# KiCad board MozzaBottom.kicad_pcb
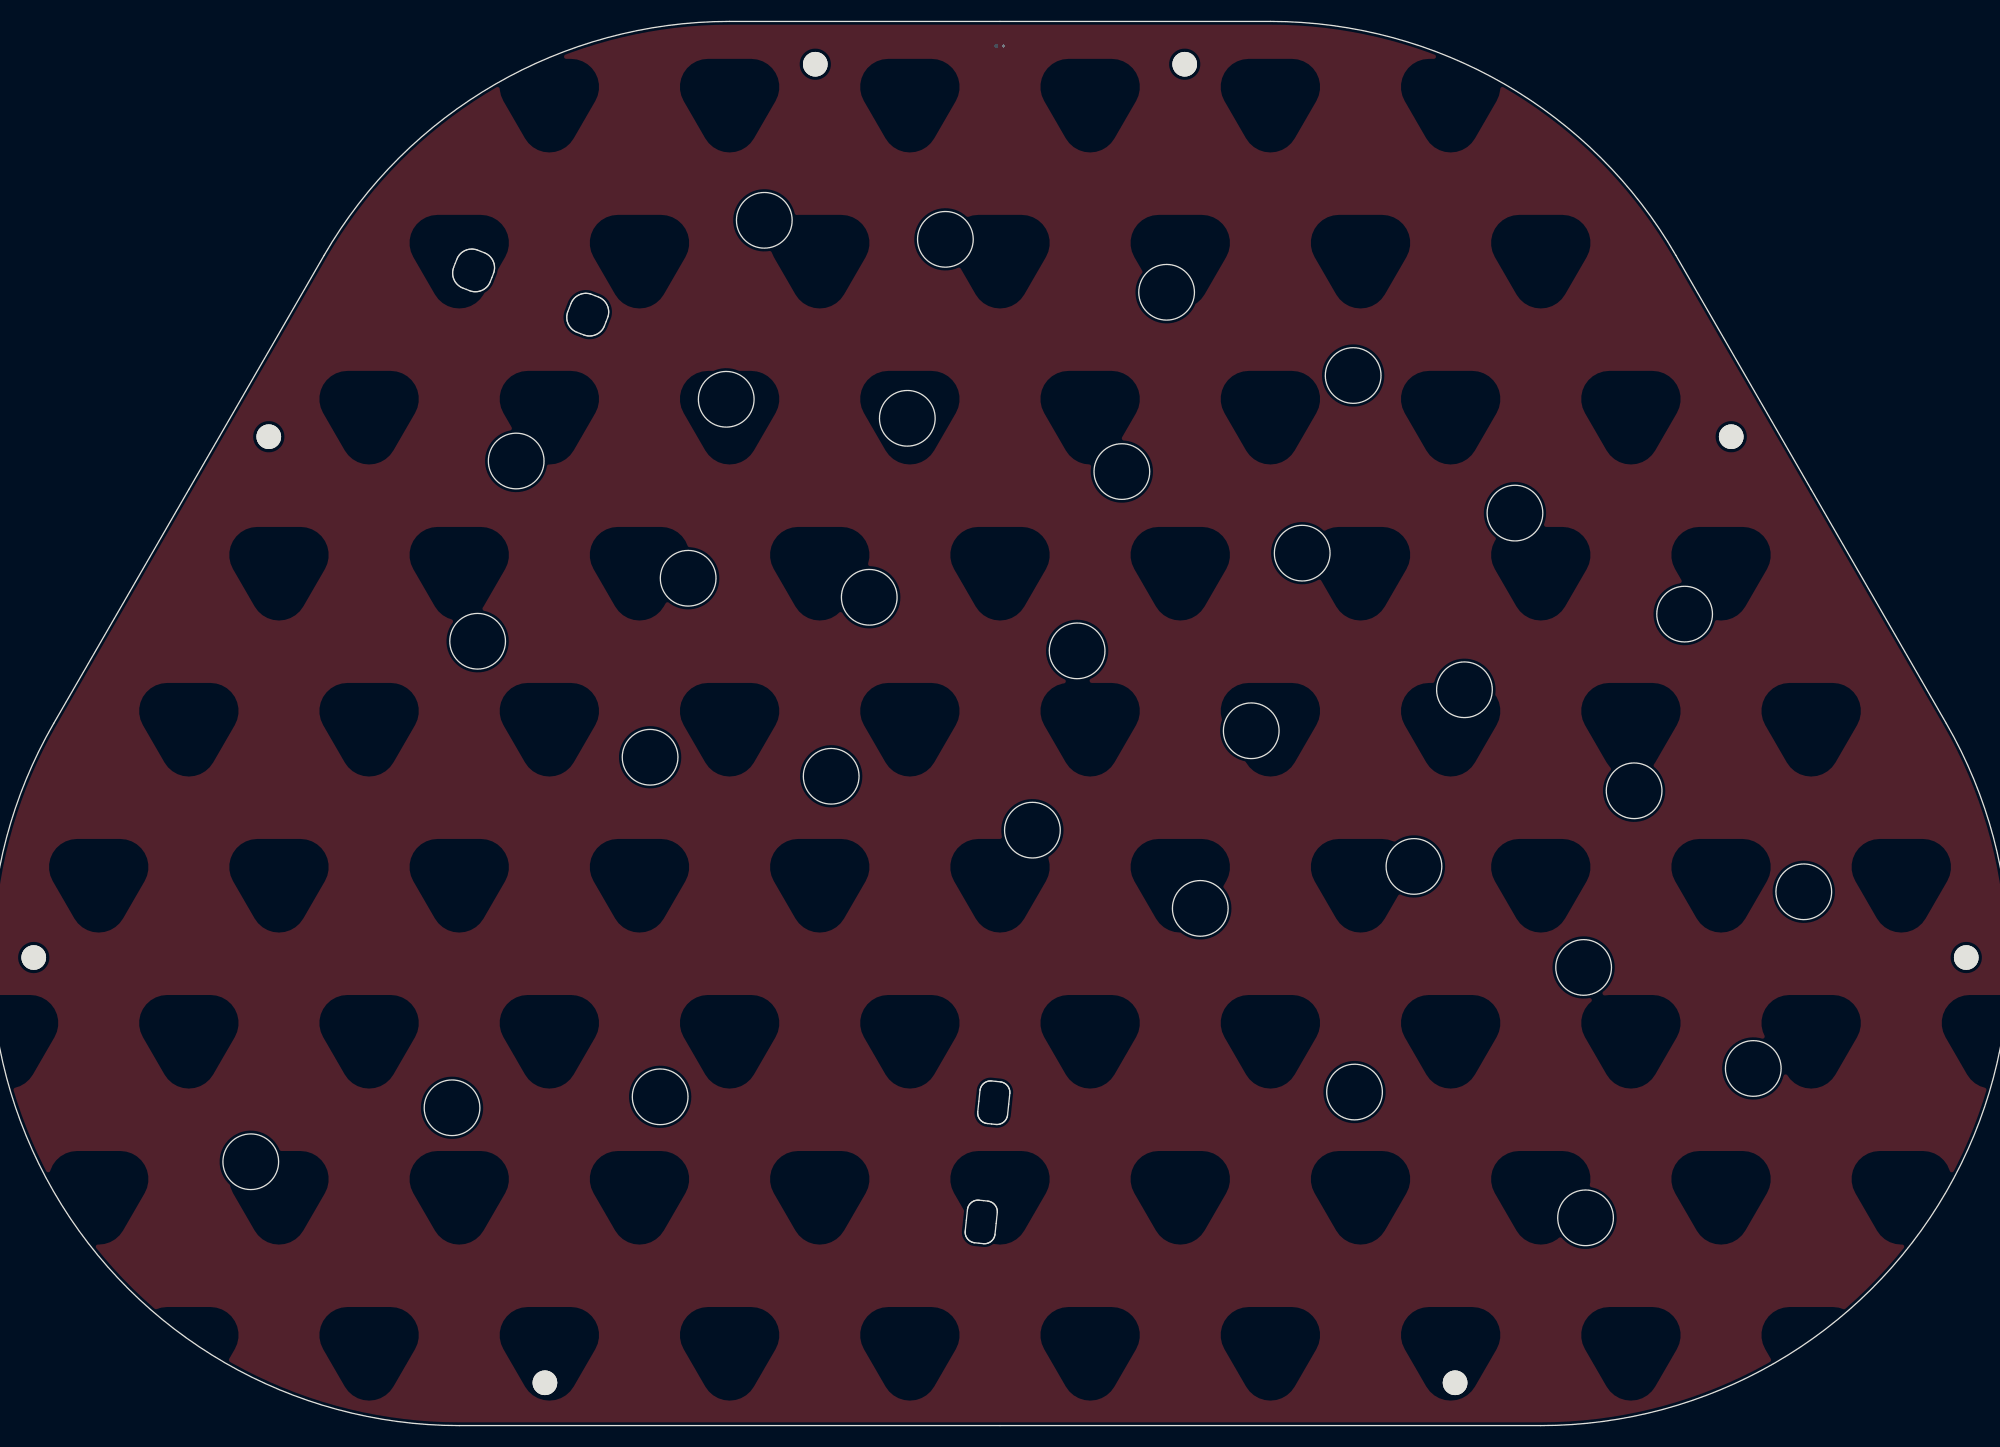
[diagram p0: board, top side]
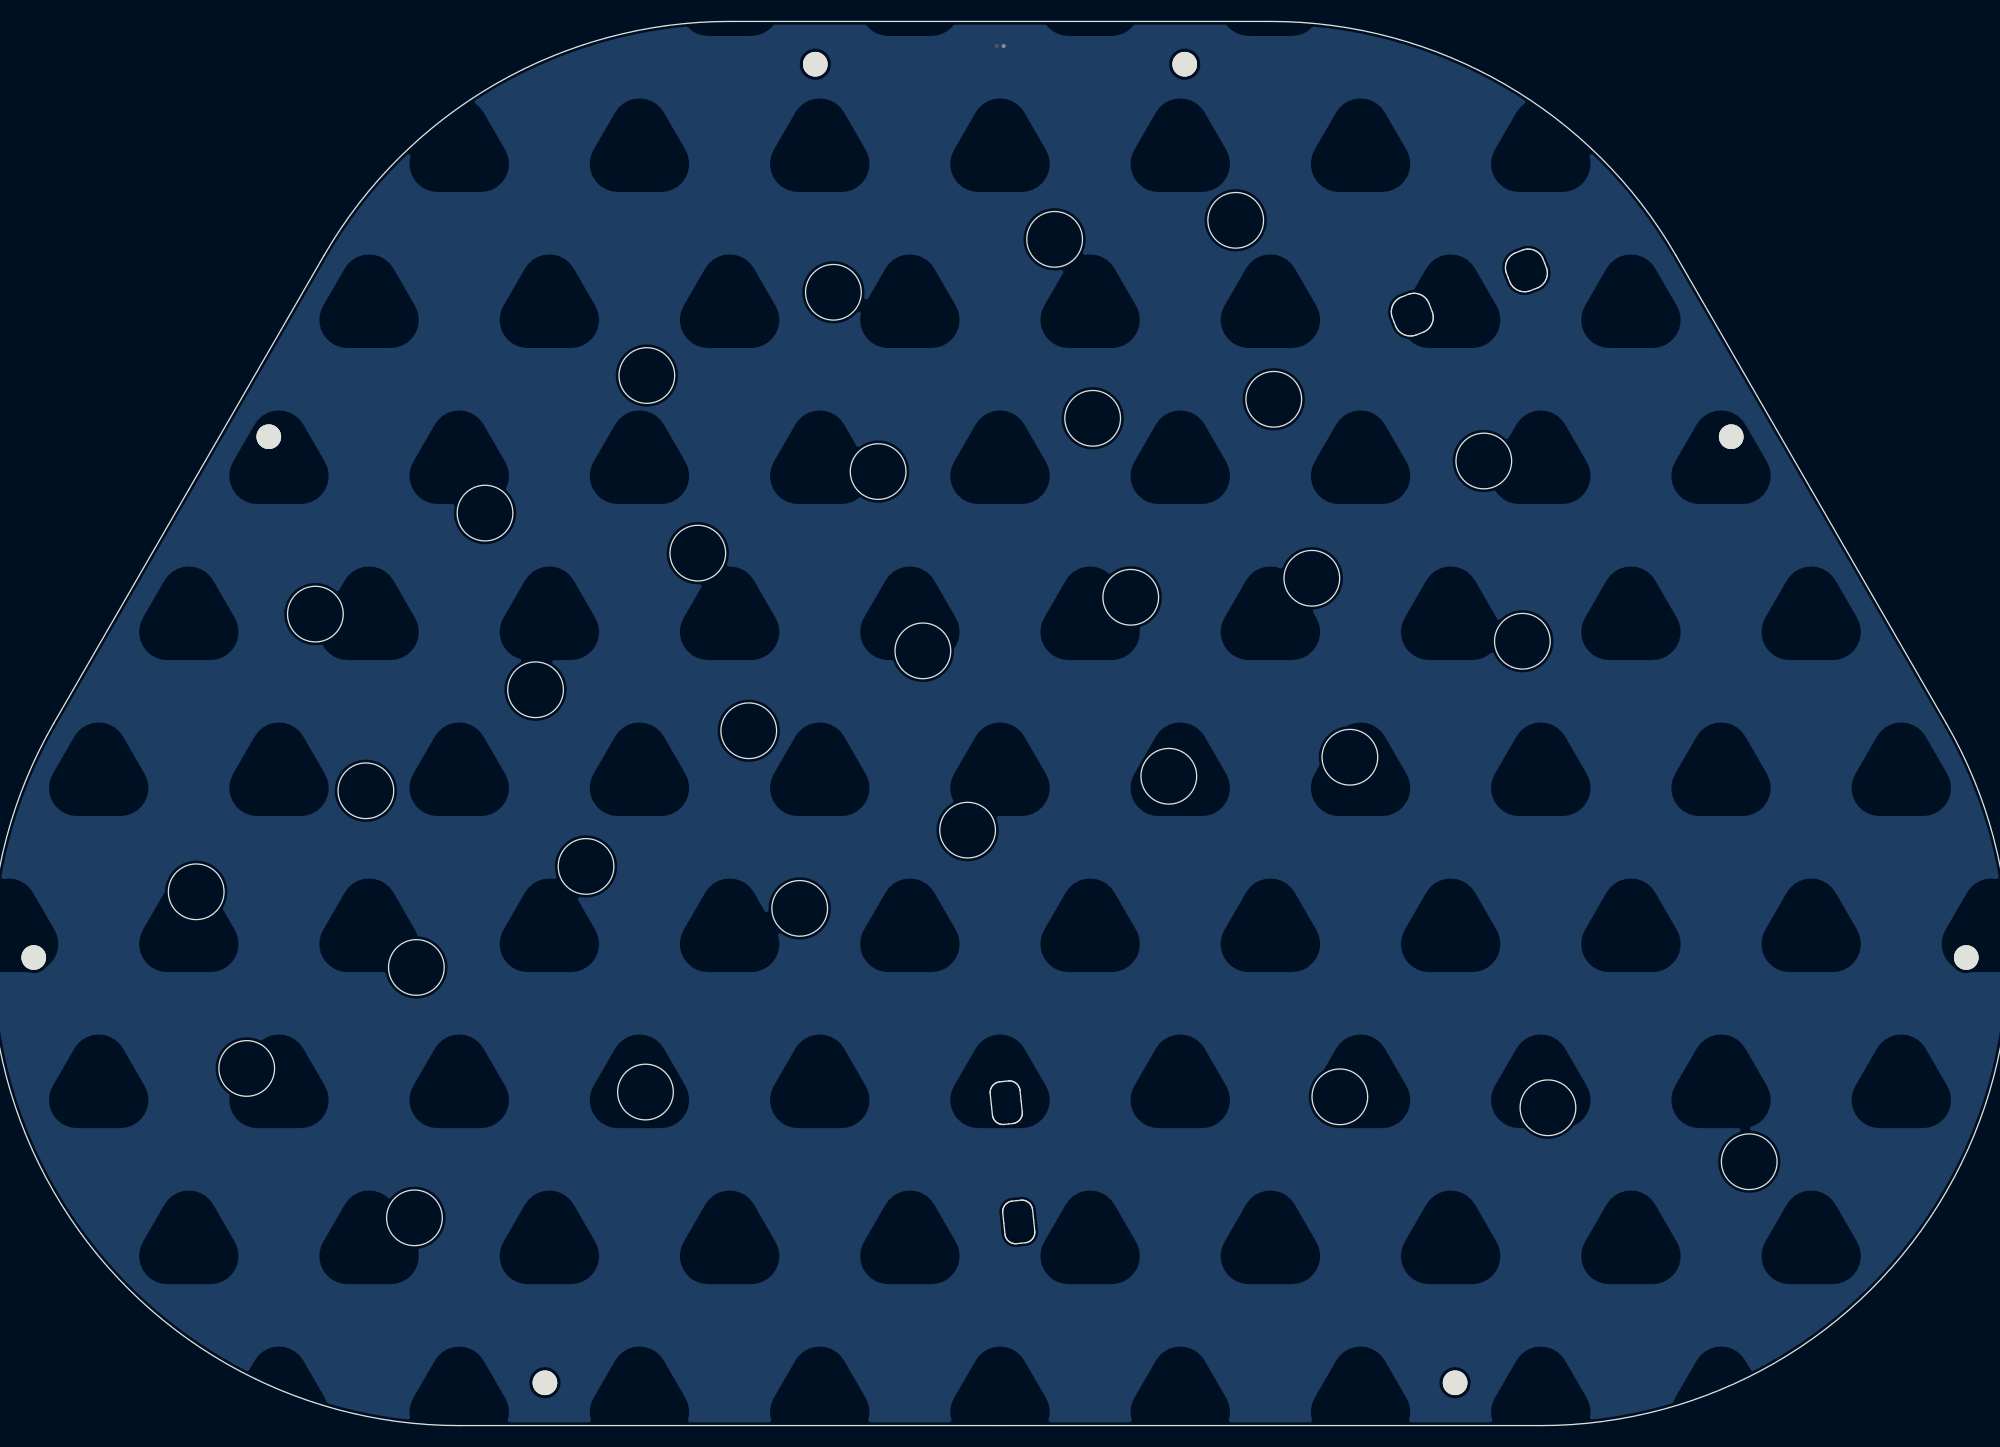
[diagram p1: board, bottom side, seen from below]

Outline 188.43 x 131.18 mm; copper layers: Top, Bottom. Coordinates in mm from the lower left corner of the outline.
Outline path: 5.86,65.59 5.86,65.59 18.48,87.45 31.1,109.31 arc(47.11,125.32) 68.97,131.18 68.97,131.18 119.46,131.18 arc(141.32,125.32) 157.33,109.31 169.95,87.45 182.57,65.59 arc(182.57,21.86) 144.71,0 94.22,0 43.73,0 arc(5.86,21.86) 5.86,65.59 ; 43.11,107.62 43.11,107.74 43.12,107.86 43.14,107.97 43.17,108.09 43.21,108.21 43.5,108.95 43.55,109.07 43.61,109.17 43.67,109.27 43.74,109.37 43.82,109.46 43.91,109.54 44,109.61 44.09,109.67 44.19,109.73 44.29,109.78 44.4,109.83 44.51,109.86 44.62,109.89 44.74,109.9 44.86,109.91 44.97,109.91 45.09,109.9 45.21,109.88 45.33,109.85 45.44,109.81 46.07,109.57 46.18,109.52 46.29,109.46 46.39,109.4 46.48,109.32 46.57,109.25 46.65,109.16 46.72,109.07 46.79,108.98 46.85,108.88 46.9,108.77 46.94,108.67 46.97,108.56 47,108.44 47.02,108.33 47.02,108.21 47.02,108.1 47.01,107.98 46.99,107.86 46.96,107.74 46.92,107.63 46.78,107.25 46.63,106.88 46.58,106.77 46.53,106.66 46.46,106.56 46.39,106.47 46.31,106.38 46.23,106.3 46.14,106.22 46.04,106.16 45.94,106.1 45.84,106.05 45.73,106.01 45.62,105.97 45.51,105.95 45.4,105.93 45.28,105.92 45.16,105.92 45.04,105.93 44.93,105.95 44.81,105.98 44.69,106.02 44.07,106.27 43.96,106.32 43.85,106.37 43.75,106.44 43.65,106.51 43.57,106.59 43.49,106.67 43.41,106.76 43.35,106.86 43.29,106.96 43.24,107.06 43.2,107.17 43.16,107.28 43.14,107.39 43.12,107.5 43.11,107.62 ; 53.77,103.49 53.77,103.6 53.78,103.72 53.8,103.84 53.83,103.96 53.87,104.07 54.01,104.45 54.16,104.82 54.21,104.93 54.26,105.04 54.33,105.14 54.4,105.23 54.48,105.32 54.56,105.4 54.65,105.48 54.75,105.54 54.85,105.6 54.95,105.65 55.06,105.69 55.17,105.73 55.28,105.75 55.4,105.77 55.51,105.78 55.63,105.78 55.75,105.77 55.86,105.75 55.98,105.72 56.1,105.68 56.41,105.55 56.72,105.43 56.84,105.38 56.94,105.33 57.04,105.26 57.14,105.19 57.23,105.11 57.31,105.03 57.38,104.94 57.44,104.84 57.5,104.74 57.55,104.64 57.6,104.53 57.63,104.42 57.66,104.31 57.67,104.2 57.68,104.08 57.68,103.96 57.67,103.84 57.65,103.73 57.62,103.61 57.58,103.49 57.43,103.12 57.29,102.75 57.24,102.63 57.18,102.53 57.12,102.43 57.05,102.33 56.97,102.25 56.88,102.16 56.79,102.09 56.7,102.03 56.6,101.97 56.5,101.92 56.39,101.87 56.28,101.84 56.17,101.81 56.05,101.8 55.94,101.79 55.82,101.79 55.7,101.8 55.58,101.82 55.47,101.85 55.35,101.89 55.04,102.01 54.72,102.13 54.61,102.18 54.5,102.24 54.4,102.3 54.31,102.38 54.22,102.45 54.14,102.54 54.07,102.63 54,102.72 53.94,102.82 53.89,102.93 53.85,103.03 53.82,103.14 53.79,103.26 53.78,103.37 53.77,103.49 ; 90.96,18.1 90.97,18.18 91.07,19.17 91.18,20.17 91.19,20.25 91.21,20.33 91.23,20.4 91.26,20.48 91.3,20.55 91.34,20.61 91.38,20.68 91.43,20.73 91.48,20.79 91.54,20.84 91.6,20.89 91.67,20.93 91.74,20.96 91.81,20.99 91.88,21.02 91.96,21.04 92.03,21.05 92.11,21.06 92.19,21.06 92.28,21.06 93.07,20.97 93.15,20.96 93.23,20.94 93.31,20.92 93.38,20.89 93.45,20.85 93.52,20.81 93.58,20.77 93.64,20.72 93.69,20.67 93.74,20.61 93.79,20.55 93.83,20.48 93.87,20.41 93.9,20.34 93.92,20.27 93.94,20.19 93.96,20.12 93.97,20.04 93.97,19.96 93.96,19.87 93.86,18.88 93.75,17.89 93.74,17.8 93.72,17.73 93.7,17.65 93.67,17.58 93.63,17.51 93.59,17.44 93.55,17.38 93.5,17.32 93.45,17.26 93.39,17.21 93.33,17.17 93.26,17.13 93.19,17.09 93.12,17.06 93.05,17.03 92.97,17.01 92.9,17 92.82,16.99 92.73,16.99 92.65,17 92.26,17.04 91.86,17.08 91.78,17.09 91.7,17.11 91.62,17.13 91.55,17.16 91.48,17.2 91.41,17.24 91.35,17.28 91.29,17.33 91.24,17.39 91.19,17.44 91.14,17.51 91.1,17.57 91.06,17.64 91.03,17.71 91.01,17.78 90.98,17.86 90.97,17.94 90.96,18.02 90.96,18.1 ; 92.13,29.23 92.14,29.32 92.24,30.31 92.35,31.31 92.36,31.39 92.38,31.47 92.4,31.54 92.43,31.61 92.47,31.68 92.51,31.75 92.55,31.81 92.6,31.87 92.66,31.93 92.71,31.98 92.77,32.02 92.84,32.07 92.91,32.1 92.98,32.13 93.05,32.16 93.13,32.18 93.2,32.19 93.28,32.2 93.37,32.2 93.45,32.2 93.84,32.15 94.24,32.11 94.32,32.1 94.4,32.08 94.48,32.06 94.55,32.03 94.62,31.99 94.69,31.95 94.75,31.91 94.81,31.86 94.86,31.8 94.92,31.75 94.96,31.69 95,31.62 95.04,31.55 95.07,31.48 95.1,31.41 95.12,31.33 95.13,31.26 95.14,31.18 95.14,31.09 95.13,31.01 95.03,30.02 94.92,29.02 94.91,28.94 94.89,28.86 94.87,28.79 94.84,28.71 94.8,28.65 94.76,28.58 94.72,28.52 94.67,28.46 94.62,28.4 94.56,28.35 94.5,28.31 94.43,28.26 94.36,28.23 94.29,28.2 94.22,28.17 94.14,28.15 94.07,28.14 93.99,28.13 93.91,28.13 93.82,28.13 93.03,28.22 92.95,28.23 92.87,28.25 92.79,28.27 92.72,28.3 92.65,28.34 92.58,28.38 92.52,28.42 92.46,28.47 92.41,28.53 92.36,28.58 92.31,28.64 92.27,28.71 92.23,28.78 92.2,28.85 92.18,28.92 92.16,29 92.14,29.07 92.14,29.15 92.13,29.23

## Placement (name value [footprint] x y rotation side)
H1  MountingHole  [MountingHole_2.3mm_M2]  136.71 4 0 top
H2  MountingHole  [MountingHole_2.3mm_M2]  51.73 4 0 top
H3  MountingHole  [MountingHole_2.3mm_M2]  184.43 43.73 90 top
H4  MountingHole  [MountingHole_2.3mm_M2]  4 43.73 270 top
H5  MountingHole  [MountingHole_2.3mm_M2]  162.49 92.38 120 top
H6  MountingHole  [MountingHole_2.3mm_M2]  25.95 92.38 240 top
H7  MountingHole  [MountingHole_2.3mm_M2]  111.46 127.18 0 top
H8  MountingHole  [MountingHole_2.3mm_M2]  76.97 127.18 0 top
P1  -  [DummyPad]  94.51 128.88 0 top
P2  -  [DummyPad]  93.88 128.88 180 bottom

## Footprints (pads in the part's own frame, mm; a bottom-side part is the same pattern mirrored in y, then rotated)
DummyPad
  round 0.4 smd: 1(0,0)
MountingHole_2.3mm_M2
  round 2.3 hole 2.3 unplated: (0,0)

## Nets
GND: P1.1 P2.1

## Copper pours and planes (outline as drawn; the poured copper is in the pictures)
GND on Top: -0.08,131.32 188.92,131.32 188.92,-0.68 -0.08,-0.68
GND on Bottom: -0.08,131.32 188.92,131.32 188.92,-0.68 -0.08,-0.68
